# Altium PCB PCB_V2.PcbDoc (part 2 of 3)
Units mil, origin at the board's own origin, x right, y up, seen from the top; angles counter-clockwise.
Board outline 5050.36 x 2715 mil, 4 copper layers (Top Layer, GND, Power, Bottom Layer), stack 61.584 mil thick; 131 components, 101 nets, 507 pads, 705 vias.
Unrouted connection lines stored in the file: 2.
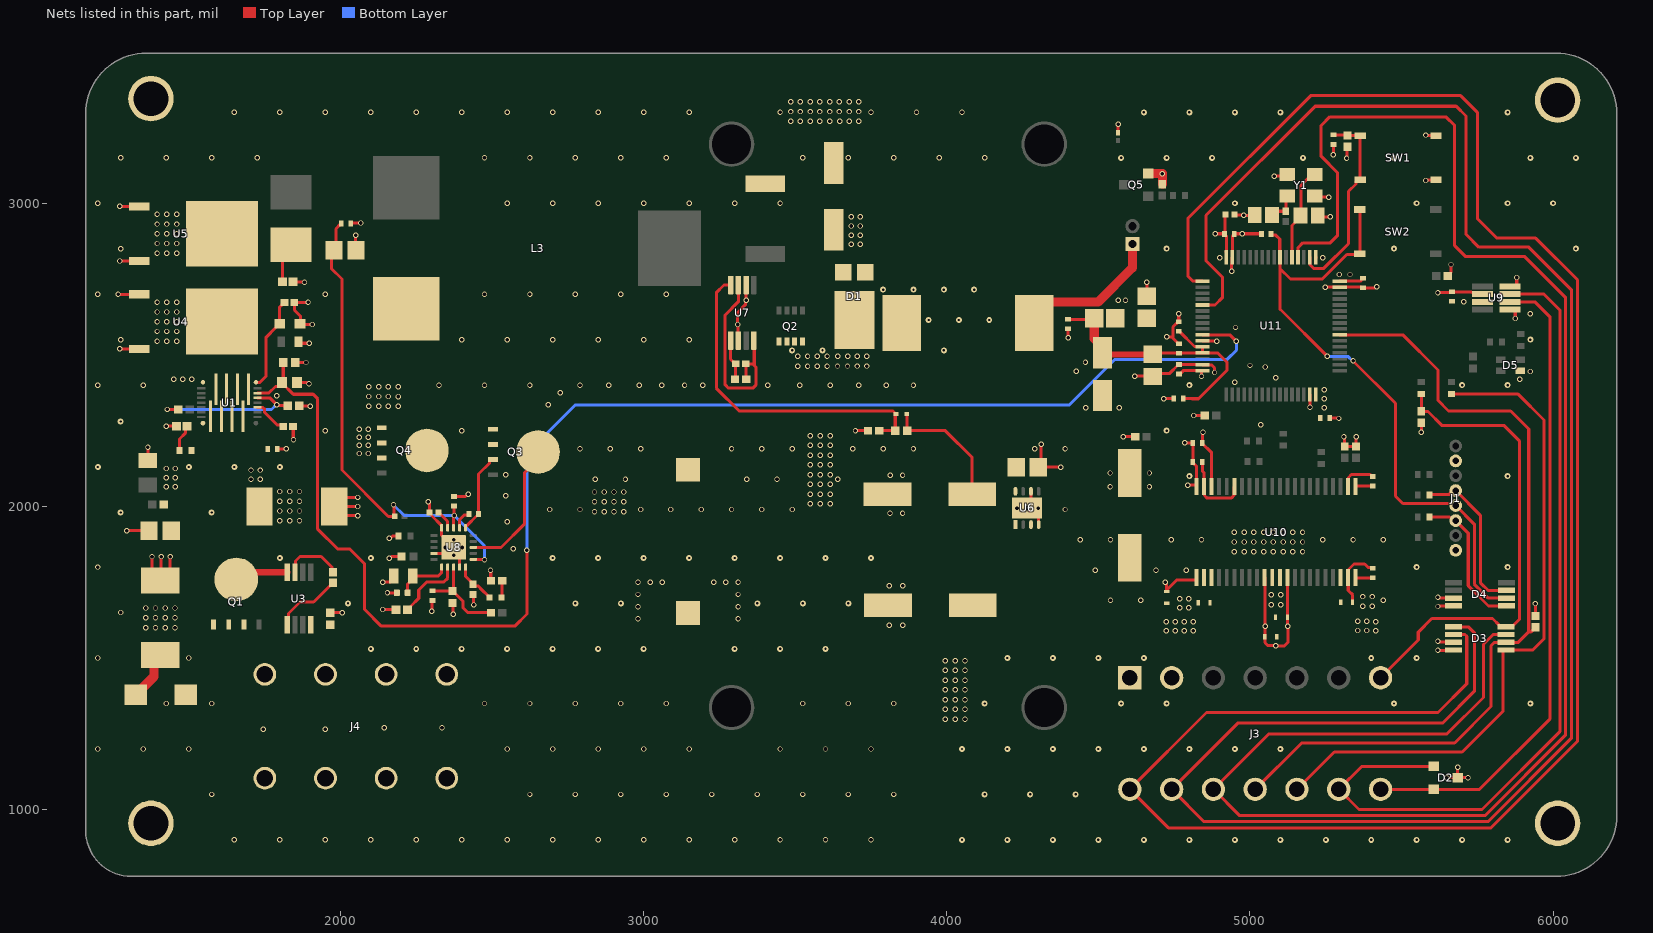
[diagram p4: the nets of this part, all layers, seen from the top]

## Part data (continued)
Q5: library part CMP-12801-000047-1, "MOSFET N-CH 60V 1.6A SOT23", Continuous Drain Current=1.6A, Drain To Source Breakdown Voltage=60V, Drain To Source Resistance=92mΩ, Gate To Source Voltage=20V, Input Capacitace At Vds="315pF @ 40V", Manufacturer="Diodes Inc.", Max Forward Diode Voltage=1V, Max Junction Temp=+150°C, Package=SOT23, Power Dissipation=0.7W, Pulse Drain Current=10A, Temperature="-55°C to +150°C", Temperature Range Low=-55°C, Typ Forward Diode Voltage=0.75V, Automotive=No, Category=Trans, ComponentLink2Description=Datasheet, ComponentLink2URL=https://www.diodes.com/assets/Datasheets/DMN6140L.pdf, Depletion Mode=False, Device Class L1="Discrete Semiconductors", Device Class L2=Transistors, Device Class L3=MOSFETs, Digikey Description="MOSFET N-CH 60V 1.6A SOT23", Drain To Source Voltage=60V, Footprint Url=https://www.diodes.com/assets/Package-Files/SOT23.pdf, Gate Charge At Vgs="8.6nC @ 10V", Height=1.1mm, Lead Free=Yes, Manufacturer Part Number=DMN6140L-13, Mouser Description="MOSFET 31V to 99V N-Ch FET 60Vds 20Vgs 2.3A", Number Of Channels=1, Number Of N Channels=1, Octopart=https://octopart.com/dmn6140l-13-diodes+inc.-38898616, Reverse Recovery Charge=9nC, Reverse Recovery Time=16.8ns, RoHS=TRUE, Rthja Max=183°C/W, Standoff Height=0.013mm, Temperature Range High=+150°C, Threshold Vgs Max=3V, Threshold Vgs Min=1V, Turn Off Delay Time=16.3ns, Turn On Delay Time=2.6ns
R1: library part CMP-03211-006729-1, "RP73P 0402 10Ω 0.1W 25ppm/°C 0.10% 50V", Manufacturer="TE Connectivity", Manufacturer Part Number=RP73PF1E10RBTD, Package=RP73P-1E, Power Rating=0.1W, Resistance=10Ω, Temperature="-55°C to +155°C", Temperature Coefficient=25ppm/°C, Temperature Range High=+155°C, Temperature Range Low=-55°C, Tolerance=0.10%, Voltage Rating=50V, Automotive=No, Category=Res, ComponentLink2Description=Datasheet, ComponentLink2URL=https://www.te.com/commerce/DocumentDelivery/DDEController?Action=srchrtrv&DocNm=1773272&DocType=DS&DocLang=English, Composition="Thin Film", Device Class L1="Passive Components", Device Class L2=Resistors, Device Class L3="Chip SMD Resistors", Height=0.35mm, Ipc Land Pattern Name=RESC10050X30, Lead Free=Yes, Octopart=https://octopart.com/rp73pf1e10rbtd-te+connectivity-89229905, RoHS=TRUE, Series=RP73P
R2: library part CMP-03412-040395-1, "RES 20kΩ ±1% 0.125W 0402"
R3: library part CMP-009-00179-2, Case/Package=None, Availability=Unavailable, Component Type=Standard, Design Item ID=ERA3AEB6040V, MF="{'manufacturer': u'Panasonic Electronic Components'}", MP=ERA3AEB6040V, Pins=2, Price=None, Source=ERA3AEB6040V.SchLib
R4: library part CMP-2002-07852-1, "Res Thick Film 0402 100K Ohm 1% 0.063W(1/16W) ±100ppm/C Pad SMD T/R", Manufacturer=Yageo, Part Number=RC0402FR-13100KL
R5: library part CMP-03412-016905-1, "RES SMD 47K OHM 0.1% 1/10W 0603", Manufacturer=Yageo, Manufacturer Part Number=RT0603BRE0747KL, Package=RT0603, Power Rating=0.1W, Resistance=47KΩ, Temperature="-55°C to +155°C", Temperature Coefficient="50 ppm/°C", Temperature Range High=+155°C, Temperature Range Low=-55°C, Tolerance=0.001, Voltage Rating=75V, Automotive=No, Category=Res, ComponentLink2Description=Datasheet, ComponentLink2URL=http://www.yageo.com/documents/recent/PYu-RT_1-to-0.01_RoHS_L_9.pdf, Composition="Thin Film", Device Class L1="Passive Components", Device Class L2=Resistors, Device Class L3="Chip SMD Resistors", Digikey Description="RES SMD 47K OHM 0.1% 1/10W 0603", Footprint Url=http://www.yageo.com/exep/pages/download/literatures/PYu-R_Mount_10.pdf, Height=0.55mm, Ipc Land Pattern Name=RESC16080X45, Lead Free=Yes, Octopart=https://octopart.com/rt0603bre0747kl-yageo-1475396, RoHS=TRUE, Series=RT
R6: library part CMP-2000-02096-2, "Automotive Metal Thin Film Chip Resistor, 0603, 2.1kΩ, 0.1%, 25ppm/°C, 0.1W, 100V", Case Code (Imperial)=0603, Case Code (Metric)=1608, Max Operating Temperature=155°C, Max Power Dissipation=100mW, Min Operating Temperature=-55°C, Resistance=2.1kR, Resistor Type="Thin Film", Temperature Coefficient=25ppm/°C, Tolerance=0.1%, Voltage Rating=100V, Voltage Rating (DC)=75V, Case/Package=0603, Features="Automotive AEC-Q200", Height=0.4mm, Lead Free="Lead Free", Length=1.6mm, Number of Terminations=2, Packaging="Tape and Reel", Power Rating=100mW, Series=RG, Termination=SMD/SMT, Weight=7.1E-05oz, Width=0.8mm
R7: library part CMP-2001-02336-1, Manufacturer="KOA Speer", Part Number=RK73H2ATTD3401F
R8: library part CMP-26527-004947-1, "Res Thick Film 2512 0.1Ω 1% 2W ±200ppm/°C Molded SMD Plastic T/R", Case Code (Imperial)=2512, Case Code (Metric)=6432, Max Operating Temperature=155°C, Max Power Dissipation=2W, Min Operating Temperature=-55°C, Resistance=100mR, Resistor Type="Thick Film", Temperature Coefficient=200ppm/°C, Tolerance=1%, Case/Package=2512, Contact Plating=Tin, Height=0.028inch, Length=0.25inch, Mount="Surface Mount", Number of Terminations=2, Packaging="Tape and Reel", Power Rating=2W, Radiation Hardening=No, RoHS Compliant=Yes, Series=CSRN, Width=0.124inch
R9: library part CMP-04015-107820-1, "30.1kΩ ±1% 0.1W Chip Resistor 0402 Thick Film AEC-Q200 Qualified", Case Code (Imperial)=0402, Case Code (Metric)=1005, Max Operating Temperature=155°C, Min Operating Temperature=-55°C, Package Quantity=10000, Power Rating=63mW, Resistance=30.1kR, Temperature Coefficient=100ppm/°C, Tolerance=1%, Voltage Rating=50V, Case/Package=0402, Height=0.35mm, Lead Free="Contains Lead", Length=1mm, Packaging="Tape and Reel", RoHS Compliant=No, Series=RK73H, Termination=SMD/SMT, Voltage Rating (DC)=50V, Width=0.5mm
R10: library part CMP-2002-07115-1, "Res Thick Film 0402 115K Ohm 1% 0.063W(1/16W) ±100ppm/C Pad SMD T/R", Manufacturer="Yageo / Phycomp", Part Number=RC0402FR-07115KL
R11 R16 R20 R22 R26 R28 R31 R32 R34 R35 R42: library part CMP-2002-03043-1, Manufacturer="Vishay Dale", Part Number=CRCW040210K0FKEDHP
R12: library part CMP-009-00178-3, "4 mOhms Â±1% 3W Chip Resistor 2512 (6432 Metric) Automotive AEC-Q200, Current Sense Metal Element", Case/Package="6331 KOA", Availability=Unavailable, Check_prices=https://www.snapeda.com/parts/TLR3APDTE4L00F75/KOA%20Speer/view-part/4194870/?ref=eda, Component Type=Standard, Design Item ID=TLR3APDTE4L00F75, MF="KOA Speer", MP=TLR3APDTE4L00F75, Pins=2, Price=None, SnapEDA_Link=https://www.snapeda.com/parts/TLR3APDTE4L00F75/KOA%20Speer/view-part/4194870/?ref=snap, Source=TLR3APDTE4L00F75.SchLib
R13: library part CMP-03412-013078-1, "RES SMD 5K OHM 1% 1/16W 0402", Manufacturer=Yageo, Manufacturer Part Number=RC0402FR-075KL, Package=RC0402, Power Rating=0.0625W, Resistance=5kΩ, Temperature="-55°C to +155°C", Temperature Coefficient=100ppm/°C, Temperature Range High=+155°C, Temperature Range Low=-55°C, Tolerance=1%, Voltage Rating=50V, Automotive=No, Category=Res, ComponentLink2Description=Datasheet, ComponentLink2URL=http://www.yageo.com/documents/recent/PYu-RC_Group_51_RoHS_L_10.pdf, Composition="Thick Film", Device Class L1="Passive Components", Device Class L2=Resistors, Device Class L3="Chip SMD Resistors", Digikey Description="RES SMD 5K OHM 1% 1/16W 0402", Footprint Url=https://pccomponents.com/datasheets/YAGEO-20RESISTORS.PDF, Height=0.4mm, Ipc Land Pattern Name=RESC10050X35, Lead Free=Yes, Octopart=https://octopart.com/rc0402fr-075kl-yageo-25450038, RoHS=TRUE, Series=RC_L
R14: library part CMP-04015-001524-1, "32kΩ ±0.1% 0.063W, 1/16W Chip Resistor 0402 (1005 Metric) Moisture Resistant Thin Film"
R15 R18: library part CMP-02407-005152-1, "RES Thick Film, 50kΩ, 1%, 0.063W, 100ppm/°C, 0402", Case Code (Imperial)=0402, Case Code (Metric)=1005, Max Operating Temperature=155°C, Min Operating Temperature=-55°C, Package Quantity=10000, Power Rating=63mW, Resistance=50kR, Tolerance=1%, Voltage Rating=50V, Case/Package=0402, Height=0.35mm, Lead Free="Lead Free", Length=1mm, Packaging="Tape and Reel", Termination=SMD/SMT, Weight=2.3E-05oz, Width=0.5mm
R17: library part CMP-2001-01369-1, Manufacturer=Yageo, Part Number=RC0805JR-0730KL
R19: library part CMP-2002-07115-1, Manufacturer="Yageo / Phycomp", Part Number=RC0402FR-07115KL
R21 R25 R27 R29 R30 R33 R36 R37 R38 R39 R40 R41 R43: library part CMP-03412-024637-1, "RES SMD 100 OHM 0.1% 1/16W 0402", Manufacturer=Yageo, Manufacturer Part Number=RT0402BRE07100RL, Package=RT0402, Power Rating=0.063W, Resistance=100Ω, Temperature="-55°C to +155°C", Temperature Coefficient="50 ppm/°C", Temperature Range High=+155°C, Temperature Range Low=-55°C, Tolerance=0.001, Voltage Rating=50V, Automotive=No, Category=Res, ComponentLink2Description=Datasheet, ComponentLink2URL=http://www.yageo.com/documents/recent/PYu-RT_1-to-0.01_RoHS_L_9.pdf, Composition="Thin Film", Device Class L1="Passive Components", Device Class L2=Resistors, Device Class L3="Chip SMD Resistors", Digikey Description="RES SMD 100 OHM 0.1% 1/16W 0402", Footprint Url=http://www.yageo.com/exep/pages/download/literatures/PYu-R_Mount_10.pdf, Height=0.35mm, Ipc Land Pattern Name=RESC10050X30, Lead Free=Yes, Mouser Description="Thin Film Resistors - SMD", Octopart=https://octopart.com/rt0402bre07100rl-yageo-1420018, RoHS=TRUE, Series=RT
R23: library part CMP-1011-00449-3, "RES SMD 300 OHM 1% 1/10W 0402", Case Code (Imperial)=0402, Case Code (Metric)=1005, Max Operating Temperature=155°C, Max Power Dissipation=100mW, Min Operating Temperature=-55°C, Package Quantity=10000, Resistance=300R, Temperature Coefficient=100ppm/°C, Tolerance=1%, Voltage Rating=50V, Case/Package=0402, Composition="Thick Film", Contact Plating=Tin, Depth=0.5mm, Height=0.35mm, Lead Free="Lead Free", Length=1mm, Military Standard=Not, Mount="Surface Mount", Number of Terminations=2, Packaging="Tape and Reel", Power Rating=100mW, REACH SVHC="No SVHC", Termination=SMD/SMT, Voltage Rating (DC)=50V, Width=0.02inch
R24: library part CMP-1011-00001-2, Manufacturer="Yageo / Phycomp", Part Number=RC0402JR-070RL
R44: library part CMP-2004-02580-1, Manufacturer=Multicomp, Part Number=MCRE000212
SW1 SW2: library part CMP-011-00013-2, "Description", Manufacturer_Name="C&K Components", Copyright="Copyright (C) 2025 Ultra Librarian. All rights reserved.", Design Item ID="PTS526 SM15 SMTR2 LFS", Manufacturer_Part_Number="PTS526 SM15 SMTR2 LFS", RefDes=RefDes, Source=PTS526SM15SMTR2LFS.SchLib, Type=Type
U1: library part CMP-013-000000-2, "4.5-V to 16-V, 0.59-mÎ©, 70-A stackable compact eFuse with accurate and fast current monitor 26-VQFN-HR -40 to 125", Manufacturer_Name="Texas Instruments", Copyright="Copyright (C) 2025 Ultra Librarian. All rights reserved.", Design Item ID=PTPS259850RQPR, Manufacturer_Part_Number=PTPS259850RQPR, RefDes=RefDes, Source=PTPS259850RQPR.SchLib, Type=TYPE
U2: library part CMP-004-00032-4, "Automotive 600 W, 28.2 V TVS in SMA", Manufacturer_Name=STMicroelectronics, Copyright="Copyright (C) 2025 Ultra Librarian. All rights reserved.", datasheet=https://www.st.com/resource/en/datasheet/sma6ty.pdf, Design Item ID=SMA6T33AY, Manufacturer_Part_Number=SMA6T33AY, RefDes=RefDes, Source=SMA6T33AY.SchLib, Type=Type
U3: library part CMP-04910-000005-1, "IC SMART DIODE CTLR 8VSSOP", Ambient Temperature Range High=+125°C, Ambient Temperature Range Low=-40°C, Manufacturer="Texas Instruments", Max Supply Voltage=42V, Min Supply Voltage=0.48V, Nominal Supply Current=0uA, Package=DGK0008A, Temperature="-40°C to +125°C", Automotive=Yes, Automotive Grade="Grade 1", Category=IC, ComponentLink2Description=Datasheet, ComponentLink2URL=http://www.ti.com/lit/ds/symlink/lm74610-q1.pdf, Device Class L1="Integrated Circuits (ICs)", Device Class L2="Power Management ICs", Device Class L3=unset, Digikey Description="IC SMART DIODE CTLR 8VSSOP", Height=1.1mm, Lead Free=Yes, Manufacturer Part Number=LM74610QDGKTQ1, Number Of Outputs=1, Octopart=https://octopart.com/lm74610qdgktq1-texas+instruments-61765970, RoHS=TRUE, Standoff Height=0.05mm, Temperature Range High=+125°C, Temperature Range Low=-40°C
U4 U5: library part CMP-028-000000-2, "Description", Manufacturer_Name="Diodes Inc", Copyright="Copyright (C) 2025 Ultra Librarian. All rights reserved.", Design Item ID=SDT30B100D1-13, Manufacturer_Part_Number=SDT30B100D1-13, RefDes=RefDes, Source=SDT30B100D1-13.SchLib, Type=Type
U6: library part CMP-00001-1, "IC REG LIN 3.3V 1A 8SON Linear Voltage Regulator IC Positive Fixed 1 Output 1A 8-SON (3x3)", Ambient Temperature Range High=125°C, Dropout Voltage=940mV, Manufacturer Lifecycle Status=ACTIVE, Max Junction Temperature (Tj)=150°C, Max Supply Voltage=16V, Min Operating Temperature=-40°C, Min Supply Voltage=4.8V, Nominal Supply Current=1.5mA, Output Current=1A, Output Voltage=3.3V, Accuracy=0.5%, Height=1mm, Length=3mm, Lifecycle Status=Production, Max Operating Temperature=150°C, Number Of Outputs=1, Pins=8, RoHS=Compliant, Thickness=880µm, Width=3mm
U7: library part CMP-0069-01741-3, "Hysteretic PFET Buck Controller with Enable Pin, 8-pin MSOP, Pb-Free", Manufacturer="Texas Instruments", PackageTopMarking=ZXTT*STEB, PowerWise=N, Code_JEDEC=MO-187-AA, ComponentLink1Description="Datasheet URL", ComponentLink1URL=http://www.ti.com/general/docs/lit/getliterature.tsp?genericPartNumber=LM3489-Q1&fileType=pdf, CompType=Switcher, PackageDescription="MINI SOIC, .118 x .118 x .034in, 8 Lead, .0256in Pitch", PackageReference=DGK0008A, PinCount=8, RoHS=Y
U8: library part CMP-031-00006-4, "2.2MHz wide VIN low IQ synchronous boost controller 20-VQFN -40 to 150", Manufacturer_Name="Texas Instruments", Copyright="Copyright (C) 2025 Ultra Librarian. All rights reserved.", datasheet=https://www.ti.com/lit/gpn/lm5123-q1, Design Item ID=LM5123QRGRRQ1, Manufacturer_Part_Number=LM5123QRGRRQ1, RefDes=RefDes, Source=LM5123QRGRRQ1.SchLib, Type=TYPE
U9: library part CMP-079-000000-2, "Automotive 3.3V CAN flexible-data-rate (FD) transceiver with shutdown and standby mode 8-SOT-23-THIN -40 to 150", Manufacturer_Name="Texas Instruments", Copyright="Copyright (C) 2025 Ultra Librarian. All rights reserved.", Design Item ID=PTCAN3404DDFRQ1, Manufacturer_Part_Number=PTCAN3404DDFRQ1, RefDes=RefDes, Source=PTCAN3404DDFRQ1.SchLib, Type=TYPE
U10: library part CMP-039-000000-3, "65V, 10A dual H-bridge stepper motor driver with smart tune, stall detect and auto torque 44-HTSSOP -40 to 125", Manufacturer_Name="Texas Instruments", Copyright="Copyright (C) 2025 Ultra Librarian. All rights reserved.", Design Item ID=DRV8462DDVR, Manufacturer_Part_Number=DRV8462DDVR, RefDes=RefDes, Source=DRV8462DDVR.SchLib, Type=Type
U11: library part CMP-031-00013-2, "Mainstream Arm Cortex-M4+ MCU 170 MHz with 512 Kbytes of Flash memory, Math Accelerator,  High Analog level integration", Manufacturer_Name=STMicroelectronics, Copyright="Copyright (C) 2025 Ultra Librarian. All rights reserved.", Design Item ID=STM32G483RET6, Manufacturer_Part_Number=STM32G483RET6, RefDes=RefDes, Source=STM32G483RET6.SchLib, Type=Type
Y1: library part CMP-003-00030-1, "25 MHz Â±20ppm Crystal 12pF 40 Ohms 4-SMD, No Lead", Case/Package="ECX-33Q-33Q-4 ECS", Check_prices=https://www.snapeda.com/parts/ECS-250-12-33Q-JES-TR/ECS/view-part/?ref=eda, Component Type=Standard, Design Item ID=ECS-250-12-33Q-JES-TR, MF="ECS Inc.", MP=ECS-250-12-33Q-JES-TR, Pins=4, SnapEDA_Link=https://www.snapeda.com/parts/ECS-250-12-33Q-JES-TR/ECS/view-part/?ref=snap, Source=ECS-250-12-33Q-JES-TR.SchLib

## Free pads (board coordinates)
  round 150 hole 114.17: 8(1375,955) 8(1375,3345) 8(6015,955) 8(6015,3340)
  round 150 hole 129.92: 11(3290,1336.73) 11(3290,3195) 11(4321.5,1336.73) 11(4321.5,3195)

## Via types
v1: diameter 17.72/17.72 (per signal layer), hole 11.81, Top Layer to Bottom Layer, 598 vias
v2: diameter 19.68/19.68 (per signal layer), hole 7.87, Top Layer to Bottom Layer, 106 vias
v3: diameter 18/18 (per signal layer), hole 11.81, Top Layer to Bottom Layer, 1 vias

## Nets (pads, with @x,y where several pads share a name; then routed paths per layer and width w, separated by ;. In a path a pad name is that pad's centre, name@x,y a point inside that pad or via, vN(x,y) a via of type N, cw(c..) or ccw(c..) an arc to the next point about the centre after c; other vN are vias at no path point)
GND: C1.2 C2.2 C3.2 C4.2 C5.2 C6.2 C7.2 C9.2 C10.2 C11.1 C12.2 C13.2 C14.2 C15.2 C16.1 C19.1 C21.2 C22.2 C23.2 C24.2 C25.2 C27.2 C28.2 C29.2 C30.2 C31.2 C32.1 C33.1 C34.1 C35.2 C36.1 C37.1 C38.1 C39.1 C42.2 C43.2 C44.2 C45.2 C46.2 C47.2 C48.2 C49.2 C50.2 C51.2 C52.2 C53.2 C54.2 CR1.2 CR2.1 D1.1 D1.3 D2.3 D3.7 D4.7 J1.7 J3.3 J4.5 J4.6 J4.7 J4.8 pad.8 Q4.1 Q4.2 Q4.3 Q5.2 R3.2 R5.2 R6.2 R7.2 R11.2 R13.1 R15.2 R17.2 R18.2 R19.2 R22.2 R26.2 R28.2 R31.2 R32.2 R44.2 U1.14 U4.1 U4.2 U5.1 U5.2 U6.4 U6.6 U6.9 U7.2 U7.6 U8.10 U8.14 U8.19 U8.21 U9.2 U9.5 U9.8 U10.1 U10.3 U10.10 U10.13 U10.20 U10.44 U11.15 U11.27 U11.31 U11.47 U11.63 Y1.2 Y1.4 | length 5488.3
  Top Layer w10: v1(1266.42,2699.65) U4.1@1336.42,2699.65 ; v1(1271.42,2519.65) U4.2@1336.42,2519.65 ; v1(1271.42,2809.65) U5.2@1336.42,2809.65 ; v1(1271.42,2989.65) U5.1@1336.42,2989.65 ; v1(1295,1920) 1368.18,1920 C7.2@1368.54,1919.65 ; R7.2@1364.14,2152.08 1365,2152.94 v1(1365,2195) ; CR2.1@1378.4,1782.27 v1(1378.4,1834.65) ; CR2.1@1408.4,1758.38 v1(1408.4,1834.65) ; v1(1425,2265) 1425.18,2264.82 1458.96,2264.82 C2.2@1459.13,2264.65 ; CR2.1@1438.4,1788.38 v1(1438.4,1834.65) ; v1(1510,2420) v1@1512.09,2420 ; C1.2@1792.34,2189.43 v1@1820.93,2189.43 ; C4.2@1843.56,2741.71 1844.53,2740.73 1880.37,2740.73 v1(1881.34,2739.76) ; C9.2@1843.6,2264.18 1844.3,2263.48 1844.3,2220.7 v1(1845,2220) ; C5.2@1851.5,2474.65 1851.55,2474.7 1886.29,2474.7 v1(1886.34,2474.76) ; R6.2@1856.6,2408.35 1890.13,2408.35 1893.72,2404.76 v1(1896.34,2404.76) ; C10.2@1864.39,2332.05 1865.42,2331.03 1899.2,2331.03 v1(1900.22,2330) ; R3.2@1866.55,2538.28 v1(1896.59,2538.28) ; v1(1893.12,2673.16) C6.2@1848.12,2673.16 1848.12,2647.47 1867.54,2628.05 1867.54,2600.24 1867.64,2600.15 v1(1906.49,2600.15) ; C3.2@1966.46,1649.76 v1(2006.38,1649.76) ; C23.2@2034.14,2933.49 2034.78,2934.13 2065.71,2934.13 v1(2066.34,2934.76) ; v1(2050,2895) 2050,2846.06 C22.2@2051.42,2844.65 ; v1(2056.42,1969.65) 2009.42,1969.65 CR1.2@1979.42,1999.65 ; v1(2056.42,1999.65) CR1.2@1979.42,1999.65 ; v1(2056.42,2029.65) 2009.42,2029.65 CR1.2@1979.42,1999.65 ; v1(2140,1660) 2140.13,1659.87 2183.53,1659.87 C25.2@2183.66,1659.74 ; v1(2140,1750) 2140.56,1750.56 2165.23,1750.56 2175.97,1761.31 R17.2@2175.97,1770.16 ; v1(2155,1715) 2155.08,1715.08 2186.05,1715.08 C28.2@2186.13,1715.16 ; v1(2161.42,1829.65) 2164.04,1829.65 2169.04,1834.65 R15.2@2201.88,1834.65 ; v1(2161.42,1894.65) 2164.04,1894.65 2171.47,1902.08 R13.1@2191.33,1902.08 ; v1(2290,2015) 2290,2012.38 2293.3,2009.07 C27.2@2293.3,1980.05 ; C27.2@2294.15,1980.05 2298.45,1975.75 2298.45,1971.55 2333.86,1936.14 U8.10@2333.86,1929.61 2333.86,1904.02 2348.23,1889.65 U8.21@2373.65,1889.65 ; v1(2301.42,1654.65) 2302.33,1655.56 2302.33,1689.24 C30.2@2303.25,1690.15 ; U8.14@2308.27,1844.96 2337.87,1844.96 2349.49,1856.58 U8.21@2349.49,1861.58 ; R18.2@2369.7,1681.99 2370.56,1681.13 2370.56,1645.51 v1(2371.42,1644.65) ; v1(2373.92,1839.4) 2382.81,1839.4 2392.91,1829.29 U8.19@2392.91,1799.69 ; C24.2@2374.66,2032.63 2411.78,2032.63 2418.8,2039.65 v1(2421.42,2039.65) ; C29.2@2437.58,1709.72 2438.79,1708.51 2438.79,1676.21 v1(2440,1675) ; v1(2495,1790) 2495.71,1789.29 2495.71,1755.35 R19.2@2496.42,1754.65 ; U7.6@3312.4,2547.28 3311.2,2548.48 3311.2,2598.8 v1(3310,2600) 3310,2640 3336.74,2666.74 3336.74,2679.36 v1(3337.99,2680.61) U7.2@3337.99,2730.35 ; v1(3698.7,2250) R11.2@3740,2250 ; v1(4264.8,1994.9) 4277.6,2007.7 U6.6@4277.6,2049.65 ; v1(4301.42,1994.65) 4303.19,1992.87 U6.4@4303.19,1940.15 ; C15.2@4301.6,2128.72 C15.2@4302.53,2129.65 ; v1(4311.42,2204.65) 4311.42,2138.54 C15.2@4302.53,2129.65 ; v1(4376.42,2129.65) C15.2@4302.53,2129.65 ; v1(4400.52,2556.49) C14.2@4400.52,2585.75 ; R44.2@4565,3232.8 v1(4565,3260) ; v1(4620,2430) 4678.55,2430 C50.2@4680,2428.55 ; C12.2@4659.78,2693.64 4660,2693.86 v1(4660,2740) ; C50.2@4682.45,2437.76 4734.19,2437.76 4764.32,2467.89 U11.31@4842.9,2467.89 ; v1(4715,2355) 4715.32,2355.32 4748.25,2355.32 C52.2@4748.58,2355.65 ; v1(4720,1750) 4720,1747.91 4725,1742.91 4725,1727.96 ; C33.1@4725,1719.68 4725,1727.91 ; v1(4725,2560) 4726.85,2558.15 4743.05,2558.15 4746.2,2555 ; 4729.3,1728.24 4758.28,1757.21 4821.95,1757.21 4823.45,1758.71 U10.1@4823.45,1765.71 ; v1(4765,2635) 4765.02,2611.07 4746.2,2592.25 4746.2,2555 ; C53.2@4766.29,2536.88 4764.32,2536.88 4746.2,2555 ; v1(4785,2210) 4785.23,2209.77 4811.22,2209.77 C36.1@4811.45,2209.54 ; v1(4795,2070) 4821.95,2070 4823.45,2068.5 U10.44@4823.45,2065.21 4823.45,2132.51 4811.45,2144.52 C32.1@4811.45,2146.49 C36.1@4811.45,2211.51 ; U11.31@4843.32,2467.47 4843.93,2466.86 4873.42,2466.86 4883.15,2457.13 v1(4883.15,2441.85) ; U11.27@4843.32,2546.21 4843.92,2545.6 4889.4,2545.6 v1(4890,2545) ; v1(4939.63,2775.28) 4939.63,2800.12 4940.75,2801.24 4940.75,2820.8 U11.15@4941.75,2821.8 4941.75,2890.77 4950.39,2899.41 4974.41,2899.41 v1(4975,2900) 4975.59,2899.41 C54.2@5038.22,2899.41 ; C45.2@4948.69,2962.86 4949.98,2961.57 v1@4978.34,2961.57 ; v1(4979.63,2960.28) 5006.74,2960.28 C43.2@5016.46,2970 ; U10.10@5048.45,1765.71 5049.23,1764.94 5049.23,1605.77 v1(5050,1605) 5049.43,1604.43 C38.1@5049.43,1570.34 ; C38.1@5049.06,1569.98 5049.43,1569.61 5049.43,1550.57 5058.52,1541.48 5083.52,1541.48 v1(5085,1540) 5114.14,1540 5125,1550.86 v1(5125,1605) 5123.81,1606.19 5123.81,1634.64 C37.1@5123.45,1635 U10.13@5123.45,1765.71 ; v1(5079.97,3089.46) 5102.86,3089.46 5108.14,3094.74 Y1.4@5123.18,3094.74 ; U11.47@5197.65,2369.04 5197.78,2368.91 5197.78,2327.71 v1(5197.91,2327.58) ; Y1.2@5213.95,3030 5223.95,3020 v1(5260,3020) ; C44.2@5225.75,2955 v1(5265,2955) ; v1(5248.09,2722.9) 5248.32,2723.14 5295.84,2723.14 U11.63@5296.08,2723.37 5366.75,2723.37 5371.14,2718.98 C46.2@5373.1,2718.98 ; C47.2@5263.14,2290.04 5264.2,2291.11 5292.55,2291.11 v1(5293.45,2290.21) ; v1(5275,3160) C42.2@5275,3194.25 ; U10.20@5298.45,1765.71 U10.20@5298.84,1765.32 ; C39.1@5298.84,1683.81 C39.1@5299.2,1683.45 ; v1(5310,2230) 5311.39,2228.61 5311.39,2205.55 5310,2204.16 5316.55,2197.61 R32.2@5349.95,2197.61 ; v1(5318.59,3148.62) 5319.96,3149.98 5319.96,3191.78 R26.2@5318.59,3193.14 ; R32.2@5349.97,2197.64 v1(5350,2230) ; C46.2@5373.1,2720.96 5412.11,2720.96 5416.36,2725.21 v1(5418.45,2725.21) ; v1(5620,1555) 5621.56,1553.44 5669.57,1553.44 D3.7@5671.12,1551.89 ; v1(5620,1700) 5621.29,1698.71 5670.07,1698.71 D4.7@5671.36,1697.41 ; v1(5620,2705) 5643.86,2705 5643.96,2705.1 5662.96,2705.1 C31.2@5665.84,2707.98 5727.45,2707.98 5728.12,2707.32 5730.99,2707.32 5732.89,2705.41 5761.58,2705.41 U9.2@5766.42,2700.57 ; v1(5649.12,1105.24) 5684.76,1105.24 D2.3@5685,1105 ; R28.2@5652.15,2760.21 5653.14,2760.21 5660.93,2768.01 5660.93,2768.99 5663.09,2771.15 v1(5663.09,2797.9) ; v1(5685,1140) D2.3@5685,1105 ; v1(5719.12,1105.24) 5685.24,1105.24 D2.3@5685,1105 ; U9.5@5857.04,2649.39 5870.16,2649.39 5875,2644.54 v1(5875,2620) ; U9.8@5857.04,2726.16 5875.16,2726.16 5880,2731 v1(5880,2755)
  Top Layer w30: Q5.2@4666.61,3097.72 v1(4711.13,3097.72) R22.2@4711.13,3063.82
  other v1: 4723.81,1589.42 4753.81,1589.42 4783.45,1590.21 4813.45,1590.21 5415,1590 5355.36,1590.79 5385.36,1590.79 3809.79,1608.41 3854.79,1608.41 4723.81,1619.42 4753.81,1619.42 4783.45,1620.21 4813.45,1620.21 5415,1620 5355.36,1620.79 5385.36,1620.79 2981.42,1629.65 3311.42,1629.65 2981.42,1669.65 3311.42,1669.65 2981.42,1709.65 3311.42,1709.65 3809.79,1738.41 3854.79,1738.41 2981.42,1749.65 3021.42,1749.65 3061.42,1749.65 3231.42,1749.65 3271.42,1749.65 3311.42,1749.65 2570,1860 2346.42,1864.65 2401.42,1864.65 2373.81,1889.81 2550,1950 3812.62,1978.03 3854.04,1977.67 4231.42,1994.65 2545,2035 4538.45,2065.21 4668.45,2065.21 3814.04,2102.67 3854.04,2102.67 2545,2105 4538.45,2110.21 4668.45,2110.21 2061.42,2174.65 2091.42,2174.65 1821.66,2190.16 2061.42,2201.31 2091.42,2201.31 2061.42,2227.98 2091.42,2227.98 2061.42,2254.65 2091.42,2254.65 5035,2270 4458.45,2325.21 4568.45,2325.21 2685,2335 1790,2365 2725,2375 2790,2400 2885,2400 2985,2400 3060,2400 3135,2400 3195,2400 3410,2400 3515,2400 3615,2400 3710,2400 3800,2400 3890,2400 4950,2410 1450,2420 1480,2420 5085,2425 4427.27,2445.34 5050,2460 5000,2465 4457.27,2475.34 4952.27,2590.34 3685,2865 3715,2865 3685,2895 3715,2895 3685,2925 3715,2925 3685,2955 3715,2955
NetC1_1: C1.1 C7.1 CR1.1 Q1.5 R1.2 R2.1 U1.23 U1.24 U1.25 U1.26 U3.8 | length 178
  Top Layer w10: Q1.5@1656.42,1759.32 Q1.5@1679.97,1782.87
  Top Layer w20: Q1.5@1679.97,1782.87 U3.8@1824.65,1782.87
  other v1: 1800,1952.86 1832.5,1952.86 1865,1952.86 1800,1985 1832.5,1985 1865,1985 1800,2017.14 1832.5,2017.14 1865,2017.14 1800,2049.29 1832.5,2049.29 1865,2049.29 1425,2065 1455,2065 1705,2090 1735,2090 1425,2095 1455,2095 1705,2120 1735,2120 1425,2125 1455,2125
  other v2: 2100,1530 2250,1530 2400,1530 2550,1530 2700,1530 2850,1530 3000,1530 3300,1530 3450,1530 3600,1530 2025,1680 2775,1680 2925,1680 3375,1680 3525,1680 3675,1680 1800,1830 2100,1830 2700,1830 2850,1830 3000,1830 3150,1830 3300,1830 3450,1830 3600,1830 3750,1830 1275,1980 1575,1980 1200,2130 1500,2130 1650,2130 1800,2130 1275,2280
NetC2_1: C2.1 R1.1 U1.22 | length 89.8
  Top Layer w10: R1.1@1469.17,2184.96 1469.17,2222.4 1488.37,2241.6 1488.37,2259.32 C2.1@1493.7,2264.65
NetC3_1: C3.1 J4.1 J4.2 J4.3 J4.4 Q1.1 Q1.2 Q1.3 U2.1 U3.4
  other v1: 1650,900 1800,900 1950,900 2100,900 2250,900 2400,900 2550,900 2700,900 2850,900 3000,900 3150,900 3300,900 3450,900 3600,900 3750,900 1575,1050 2625,1050 2775,1050 2925,1050 3075,1050 3225,1050 3375,1050 3525,1050 3675,1050 3825,1050 1200,1200 1350,1200 1500,1200 2550,1200 2700,1200 2850,1200 3000,1200 3150,1200 3450,1200 3600,1200 3750,1200 1745,1265 1950,1265 2145,1270 2335,1270 1425,1350 1575,1350 2475,1350 2625,1350 2775,1350 2925,1350 3075,1350 3525,1350 3675,1350 3825,1350 1200,1500 1500,1500 1357.86,1600 1390,1600 1422.14,1600 1454.29,1600 1357.86,1632.5 1390,1632.5 1422.14,1632.5 1454.29,1632.5 1275,1650 1357.86,1665 1390,1665 1422.14,1665 1454.29,1665 1200,1800
NetC4_1: C4.1 C16.2 C17.1 C22.1 C23.1 C24.1 R8.1 R10.1 R12.1 R14.2 U1.10 U1.11 U1.12 U1.13 U4.3 U5.3 U7.3 U7.8 U8.1 U8.8 | length 2459.3
  Top Layer w10: U5.3@1608.84,2899.65 U5.3@1618.84,2899.65 ; C4.1@1809,2741.71 1809,2835.37 R12.1@1836.42,2862.8 ; C22.1@1969.97,2849.65 1969.97,2785.03 2005,2750 2005,2120 2157.9,1967.1 R14.2@2178.86,1967.1 2176.85,1969.11 2176.85,2003.15 v1(2175,2005) ; C22.1@1978.52,2844.65 1985,2851.12 1985,2915.84 1997.81,2928.65 1999.77,2928.65 2002.65,2931.52 C23.1@2002.65,2933.49 ; U8.8@2373.23,1929.61 2373.23,1966.14 2375,1967.91 v1(2375,1970) 2374.83,1970.17 2374.83,2000.96 C24.1@2374.66,2001.13 ; U8.1@2438.19,1825.28 2438.46,1825 2474.13,1825 v1(2475,1824.13) ; U7.3@3312.4,2730.35 3312.4,2674.82 3268.95,2631.37 3268.95,2401.05 3280,2390 3360,2390 3370,2400 3370,2460 3364.82,2465.18 3364.82,2546.04 U7.8@3363.58,2547.28 ; C17.1@3336.38,2470.35 3337.54,2469.2 3337.54,2420.81 R10.1@3338.7,2419.65 ; C17.1@3337.7,2470.35 3359.65,2470.35 ; 3363.58,2466.42 3363.58,2470.35
  Bottom Layer w10: v1(2175,2005) 2210,1970 v1(2375,1970) 2475,1870 v1(2475,1824.13)
  other v1: 1200,2400 1350,2400 1395,2545 1427.5,2545 1460,2545 1275,2550 1395,2577.14 1427.5,2577.14 1460,2577.14 1395,2609.29 1427.5,2609.29 1460,2609.29 1395,2641.43 1427.5,2641.43 1460,2641.43 1395,2673.57 1427.5,2673.57 1460,2673.57 1200,2700 1950,2700 1395,2835 1427.5,2835 1460,2835 1275,2850 1395,2867.14 1427.5,2867.14 1460,2867.14 1395,2899.29 1427.5,2899.29 1460,2899.29 1395,2931.43 1427.5,2931.43 1460,2931.43 1395,2963.57 1427.5,2963.57 1460,2963.57 1200,3000 2550,3000 2700,3000 2850,3000 3000,3000 3150,3000 3300,3000 3450,3000 1275,3150 1425,3150 1575,3150 1725,3150 2475,3150 2625,3150 2775,3150 2925,3150 3075,3150 3525,3150 3675,3150 3825,3150 3975,3150 4125,3150 3485,3270 3517.14,3270 3549.29,3270 3581.43,3270 3613.57,3270 3646.43,3270 3678.57,3270 3710,3270 1650,3300 1800,3300 1950,3300 2100,3300 2250,3300 2400,3300 2550,3300 2700,3300 2850,3300 3000,3300 3150,3300 3450,3300 3750,3300 3900,3300 4050,3300 3485,3302.5 3517.14,3302.5 3549.29,3302.5 3581.43,3302.5 3613.57,3302.5 3645.71,3302.5 3677.86,3302.5 3710,3302.5 3485,3335 3517.14,3335 3549.29,3335 3581.43,3335 3613.57,3335 3645.71,3335 3677.86,3335 3710,3335
NetC5_1: C5.1 R6.1 U1.7 U11.26 | length 4822.7
  Top Layer w10: U1.7@1726.29,2373.81 1763.81,2373.81 1785.51,2395.51 1795.51,2395.51 R6.1@1807.33,2407.34 ; C5.1@1811.34,2474.65 1811.34,2412.35 R6.1@1807.33,2408.35 ; v1(2615,1855) 2615,1645 2575,1605 2135,1605 2080,1660 2080,1810 2030,1860 1990,1860 1925,1925 1925,2355 1910,2370 1844.67,2370 R6.1@1807.33,2407.34 ; U11.26@4843.32,2565.89 4933.69,2565.89 4954.58,2545 v1(4955,2545) ; R6.1@1807.33,2407.34 R6.1@1807.33,2408.35 ; R6.1@1807.33,2407.34 R6.1@1807.33,2408.35
  Bottom Layer w10: v1(2615,1855) 2615.91,1855.91 2615.91,2175.91 2775,2335 4404.8,2335 4554.8,2485 4925,2485 4955.31,2515.32 4955.31,2544.68 v1(4955,2545)
NetC6_1: C6.1 R5.1 U1.9 | length 302.2
  Top Layer w10: U1.9@1721.12,2409.49 1734.41,2409.49 1755,2430.08 1755,2558.51 1786.94,2590.45 1786.94,2592.42 1797.69,2603.16 R5.1@1799.66,2603.16 1799.66,2657.5 1807.74,2665.58 C6.1@1807.74,2666.9
NetC8_1: C8.1 U3.1 | length 227.7
  Top Layer w10: U3.1@1824.65,1609.65 1828.5,1613.5 1828.5,1646.73 1866.42,1684.65 1911.79,1684.65 C8.1@1975.42,1748.28
NetC8_2: C8.2 U3.7 | length 202.5
  Top Layer w10: U3.7@1850.24,1782.87 1851.82,1784.46 1851.82,1819.9 1866.56,1834.65 1936.42,1834.65 1972.52,1798.55 1972.52,1788.11 C8.2@1981.42,1779.21
NetC9_1: C9.1 U1.4 | length 116.6
  Top Layer w10: U1.4@1726.29,2326.57 1744.14,2326.57 1750,2320.71 1750,2310 1790.78,2269.22 1805.76,2269.22 C9.1@1810.8,2264.18
NetC10_1: C10.1 R4.2 U1.6 | length 499.4
  Top Layer w10: v1@1430,2320 R4.2@1465,2320 ; U1.6@1726.29,2358.06 1766.94,2358.06 1791.48,2333.52 1810.88,2333.52 1812.35,2332.05
  Bottom Layer w10: v1(1428.68,2319.88) 1772.79,2319.88 1787.91,2335 v1(1790,2335)
NetC11_2: C11.2 C12.1 C31.1 C36.2 C45.1 C46.1 C47.1 C48.1 C49.1 D3.8 D4.8 D5.4 J1.1 J3.1 L2.1 R20.1 R34.1 R35.1 R42.1 SW1.1 SW1.2 U6.1 U6.3 U9.3 U10.42 U11.1 U11.16 U11.32 U11.48 U11.64 | length 907.4
  Top Layer w10: v1(4581.55,2229.79) 4581.65,2229.89 4621.19,2229.89 R35.1@4621.3,2230 R35.1@4620.65,2230.65 ; C12.1@4644.12,2605.09 C12.1@4659.78,2620.75 ; C48.1@4766.29,2436.39 4768.26,2436.39 4779.65,2447.78 U11.32@4834,2447.78 ; v1(4815,2300) R34.1@4851.3,2300 ; v1(4840,2430) 4840,2446.78 4839,2447.78 U11.32@4834,2447.78 ; U11.32@4843.32,2447.78 U11.32@4834,2447.78 ; v1(4845,2245) 4843.97,2243.97 4843.97,2214.35 4840.07,2210.45 4873.45,2177.06 U10.42@4873.45,2065.21 ; v1(4885,2900) 4885.59,2899.41 4915.75,2899.41 C49.1@4916.33,2898.82 ; C45.1@4918.88,2962.86 4917.61,2961.59 4917.61,2900.1 C49.1@4916.33,2898.82 ; U11.16@4921.06,2840 U11.16@4922.06,2839 ; U11.16@4922.06,2821.8 4922.06,2891.13 4916.33,2896.86 C49.1@4916.33,2898.82 ; U11.1@5217.34,2821.8 5217.34,2821 U11.1@5218.34,2820 ; U11.64@5296.08,2743.06 5363.71,2743.06 C46.1@5371.14,2750.48 ; C46.1@5370.23,2753.35 C46.1@5373.1,2750.48 ; R20.1@5561.73,2274.78 5565,2271.51 v1(5565,2245) ; v1(5580,3075) 5581.19,3076.19 5612.47,3076.19 SW1.1@5613.66,3077.38 ; v1(5580,3225) 5580.98,3224.02 5612.68,3224.02 SW1.2@5613.66,3223.04 ; v1(5620,1525) 5669.83,1525 D3.8@5671.12,1526.3 ; v1(5620,1670) 5620.91,1670.91 5670.45,1670.91 D4.8@5671.36,1671.82 ; v1(5941.16,1679.65) 5941.29,1679.52 5941.29,1638.48 R42.1@5941.42,1638.35
  other v1: 3995.07,1298.32 4027.57,1298.32 4060.07,1298.32 3995,1330.71 4027.5,1330.71 4060,1330.71 3995,1362.86 4027.5,1362.86 4060,1362.86 3995,1395 4027.5,1395 4060,1395 3995,1427.14 4027.5,1427.14 4060,1427.14 3995,1459.29 4027.5,1459.29 4060,1459.29 3995,1491.43 4027.5,1491.43 4060,1491.43 5245,2325 5245,2355 5245,2385 5890,2420 5925,2445 5925,2635 5705,2675 4565,2680 4589.44,2680.25 5295,2765 5330,2765 4900,2820 5240,2820
  other v2: 4050,900 4200,900 4350,900 4500,900 4650,900 4800,900 4950,900 5100,900 5250,900 5400,900 5550,900 5700,900 5850,900 4125,1050 4275,1050 4425,1050 4050,1200 4200,1200 4350,1200 4500,1200 4650,1200 4800,1200 4950,1200 5100,1200 4125,1350 4575,1350 4725,1350 5475,1350 5925,1350 4200,1500 4350,1500 4500,1500 4650,1500 5400,1500 5550,1500 5550,1800 5850,1800 4800,2100 5850,2100 4725,2250 4800,2400 5700,2400 5850,2400 5925,2550 4725,2850 5475,2850 6075,2850 4950,3000 5550,3000 5850,3000 6000,3000 4575,3150 4725,3150 4875,3150 5175,3150 5475,3150 5925,3150 6075,3150 4650,3300 4800,3300 4950,3300 5100,3300 5850,3300
NetC13_1: C13.1 C14.1 C50.1 C51.1 C52.1 C53.1 L2.2 U11.28 U11.29 | length 960.3
  Top Layer w10: C14.1@4400.52,2617.24 L2.2@4482.07,2617.24 ; C50.1@4687.72,2505.38 C53.1@4766.29,2505.38 4824.37,2505.38 4825.82,2506.84 U11.29@4843.32,2506.84 ; C51.1@4765.04,2577.63 4767.01,2577.63 4817.12,2527.52 4842.32,2527.52 U11.28@4843.32,2526.52 U11.29@4843.32,2506.84 ; C52.1@4780.07,2355.65 4807.84,2355.65 4808.33,2355.16 4830.16,2355.16 4923.45,2448.45 4923.45,2476.55 4894.16,2505.84 4844.32,2505.84 U11.29@4843.32,2506.84
  Top Layer w20: L2.2@4482.07,2617.24 L2.2@4486.21,2621.38 ; C13.1@4513.45,2526.63 C13.1@4513.45,2506.94 4518.95,2501.45 C50.1@4680,2501.45
  Top Layer w30: L2.2@4486.21,2621.38 4486.21,2553.87 C13.1@4513.45,2526.63
NetC15_1: C15.1 C18.1 C19.2 J2.1 L1.1 R9.1 U6.8 | length 955
  Top Layer w10: R9.1@3867.99,2305 3868.9,2304.09 3868.9,2251.18 C18.1@3870.08,2250 3995,2250 4083.86,2161.14 C19.2@4083.86,2031.8 ; L1.1@4288.5,2605 L1.1@4288.5,2634.5
  Top Layer w30: L1.1@4288.5,2605 4288.5,2625.82 4336.5,2673.82 4498.82,2673.82 4612.28,2787.28 J2.1@4612.28,2865.47
NetC17_2: C17.2 R10.2 U7.5 | length 135
  Top Layer w10: U7.5@3286.81,2547.28 3286.81,2485.81 C17.2@3302.27,2470.35 ; R10.2@3301.3,2419.65 3302.44,2420.79 3302.44,2469.21 C17.2@3303.58,2470.35
NetC18_2: C18.2 R9.2 R11.1 U7.4 | length 1110.3
  Top Layer w10: U7.4@3286.81,2730.35 3265.35,2730.35 3240,2705 3240,2390 3315,2315 3822.28,2315 3829.41,2307.87 3829.41,2305.91 3830.32,2305 R9.2@3832.28,2305 3830.83,2305 3829.92,2304.09 C18.2@3829.92,2250 R11.1@3777.4,2250
NetC20_1: C20.1 L3.2 Q3.1 Q3.2 Q3.3 Q4.5 U8.6 | length 263.9
  Top Layer w10: U8.6@2412.87,1936.42 2416.9,1936.42 2450.59,1970.1 2452.56,1970.1 2455.43,1972.98 2455.43,2106.85 2492.09,2143.5 2492.09,2151.57 2495.16,2154.65 Q3.3@2503.23,2154.65
  other v1: 1950,2250 2400,2250 2093.57,2330 2125.71,2330 2157.86,2330 2190,2330 2093.57,2362.5 2125.71,2362.5 2157.86,2362.5 2093.57,2395 2125.71,2395 2157.86,2395 2190,2395 2325,2400 2475,2400 2625,2400 2400,2550 2550,2550 2700,2550 2850,2550 3000,2550 3150,2550 2475,2700 2625,2700 2775,2700 2925,2700 3075,2700
  other v3: 2190,2362.5
NetC20_2: C20.2 U8.7 | length 65.6
  Top Layer w10: U8.7@2392.91,1929.61 2392.91,1956.14 2408.36,1971.59 2421.06,1971.59 2423.93,1974.46 C20.2@2423.93,1974.94
NetC21_1: C21.1 C33.2 C34.2 C35.1 C37.2 C38.2 C39.2 C41.2 Q3.5 U8.3 U10.2 U10.11 U10.12 U10.21 | length 665.9
  Top Layer w10: U8.3@2438.19,1864.65 2529.65,1864.65 2606.42,1941.42 2606.42,2110.43 2651.88,2155.89 Q3.5@2651.88,2179.65 ; C39.2@5338.57,1683.45 5338.57,1708.54 5324.16,1722.96 5324.16,1765 U10.21@5323.45,1765.71 5324.95,1767.21 5324.95,1791.71 5343.45,1810.21 5378.45,1810.21 5389.89,1798.77 5402.1,1798.77 C41.2@5404.98,1795.9
  other v1: 4768.45,1665.21 4798.45,1665.21 5371.88,1670.21 5403.45,1670.21 5070.19,1676.27 5101.77,1676.27 4540,1690 4640,1690 5440,1690 4768.45,1695.21 4798.45,1695.21 5371.88,1702.71 5403.45,1702.71 5070.19,1708.77 5101.77,1708.77 4490,1790 4690,1790 4790,1790 4948.45,1850.21 4980.59,1850.21 5012.74,1850.21 5044.88,1850.21 5077.02,1850.21 5109.17,1850.21 5141.31,1850.21 5173.45,1850.21 4948.45,1882.71 4980.59,1882.71 5012.74,1882.71 5044.88,1882.71 5077.02,1882.71 5109.17,1882.71 5141.31,1882.71 5173.45,1882.71 4440,1890 4540,1890 4740,1890 4840,1890 5240,1890 5340,1890 5440,1890 4948.45,1915.21 4980.59,1915.21 5012.74,1915.21 5044.88,1915.21 5077.02,1915.21 5109.17,1915.21 5141.31,1915.21 5173.45,1915.21 2837.86,1982.5 2870,1982.5 2902.14,1982.5 2934.29,1982.5 2690,1990 2790,1990 2990,1990 3090,1990 3190,1990 3290,1990 3390,1990 3490,1990 4390,1990 3550,2008.57 3582.5,2008.57 3615,2008.57 2837.86,2015 2870,2015 2902.14,2015 2934.29,2015 3550,2040.71 3582.5,2040.71 3615,2040.71 2837.86,2047.5 2870,2047.5 2902.14,2047.5 2934.29,2047.5 3550,2072.86 3582.5,2072.86 3615,2072.86 2840,2090 2940,2090 3340,2090 3440,2090 3640,2090 3550,2105 3582.5,2105 3615,2105 3550,2137.14 3582.5,2137.14 3615,2137.14 3550,2169.29 3582.5,2169.29 3615,2169.29 2790,2190 2890,2190 2990,2190 3290,2190 3390,2190 3490,2190 3690,2190 3790,2190 3890,2190 4290,2190 4390,2190 3550,2201.43 3582.5,2201.43 3615,2201.43 3550,2233.57 3582.5,2233.57 3615,2233.57
NetC25_1: C25.1 U8.17 | length 228.4
  Top Layer w10: C25.1@2221.16,1659.74 2222.09,1659.74 2231.11,1668.76 2231.11,1669.7 2258.23,1696.82 2258.23,1724.65 2283.58,1750 2340,1750 2353.54,1763.54 U8.17@2353.54,1799.69
NetC26_1: C26.1 C29.1 U8.20 | length 139.7
  Top Layer w10: U8.20@2412.6,1799.69 2412.6,1769.29 2437.58,1744.31 C29.1@2437.58,1743.47 C29.1@2437.58,1743.12 ; C29.1@2437.58,1742.62 C29.1@2437.58,1743.12 ; C26.1@2491.69,1700.13 2461.42,1730.4 2461.42,1731 2455.56,1736.85 2443.84,1736.85 C29.1@2437.58,1743.12
NetC26_2: C26.2 R19.1 | length 55.7
  Top Layer w10: C26.2@2531.06,1700.13 2532.44,1701.51 2532.44,1753.26 R19.1@2533.82,1754.65
NetC27_1: C27.1 U8.9 | length 63.5
  Top Layer w10: C27.1@2323.11,1980.05 2323.96,1980.05 2353.27,1950.74 2353.27,1929.88 U8.9@2353.54,1929.61
NetC28_1: C28.1 R17.1 U8.16 | length 170.8
  Top Layer w10: C28.1@2221.56,1715.16 2221.56,1743.9 R17.1@2238.97,1761.31 ; R17.1@2238.97,1770.16 2321.94,1770.16 2333.86,1782.09 U8.16@2333.86,1799.69
NetC30_1: C30.1 R16.2 R18.1 U8.18 | length 315.1
  Top Layer w10: C30.1@2303.25,1721.65 2303.31,1721.59 2369.64,1721.59 R18.1@2369.7,1721.53 ; U8.18@2373.23,1799.69 2372.95,1799.41 2372.95,1724.79 R18.1@2369.7,1721.53 ; R16.2@2496.42,1649.65 2420.35,1649.65 2404.86,1665.14 2404.86,1686.37 2377.94,1713.29 2377.94,1713.38 2369.78,1721.53 R18.1@2369.7,1721.53
NetC32_2: C32.2 U10.39 U10.43 | length 244.5
  Top Layer w10: C32.2@4842.94,2146.49 4842.94,2116.81 4848.45,2111.3 U10.43@4848.45,2065.21 4849.95,2063.71 4849.95,2035.84 4857.33,2028.46 4939.57,2028.46 4946.95,2035.84 U10.39@4946.95,2063.71
NetC40_1: C40.1 U10.24 | length 117.6
  Top Layer w10: U10.24@5323.45,2065.21 5324.95,2066.71 5324.95,2095.48 5334.47,2105 5396.47,2105 5403.01,2098.46 C40.1@5404.98,2098.46
NetC40_2: C40.2 U10.23 | length 57.4
  Top Layer w10: U10.23@5348.45,2065.21 5348.45,2065.47 5349.95,2066.97 C40.2@5404.98,2066.97
NetC41_1: C41.1 U10.22 | length 57.1
  Top Layer w10: U10.22@5348.45,1765.71 5349.76,1764.4 C41.1@5404.98,1764.4
NetC42_1: C42.1 R26.1 SW1.3 SW1.4 U11.2 | length 646.5
  Top Layer w10: U11.2@5197.65,2821.8 5198.65,2820.8 5198.65,2796.07 5209.51,2785.21 5243.45,2785.21 5325,2866.76 5325,3039.13 5349.53,3063.66 5349.53,3071.38 5355.53,3077.38 SW1.4@5363.24,3077.38 SW1.3@5363.24,3220.98 ; C42.1@5276.41,3226.61 C42.1@5277.25,3225.77 ; C42.1@5282.25,3225.77 R26.1@5321.32,3225.77 ; R26.1@5321.32,3223.54 5321.57,3223.29 5358.86,3223.29 SW1.3@5361.17,3220.98
NetC43_1: C43.1 R24.2 Y1.1 | length 83.7
  Top Layer w10: C43.1@5086.92,2973.67 R24.2@5118.45,2973.67 5118.45,3019.15 Y1.1@5123.18,3023.87
NetC44_1: C44.1 U11.5 Y1.3 | length 304.4
  Top Layer w10: U11.5@5138.6,2821.8 5138.6,2926.42 C44.1@5168.45,2956.27 ; C44.1@5168.45,2960.21 5168.45,3059.3 Y1.3@5209.79,3100.64
NetC54_1: C54.1 D4.2 J1.4 SW2.3 SW2.4 U11.7 | length 2168.1
  Top Layer w10: C54.1@5070.31,2898.82 5070.31,2897.67 5073.18,2894.79 5085.21,2894.79 5098.23,2881.77 5098.23,2822.8 U11.7@5099.23,2821.8 5099.23,2784.44 ; v1(5255,2495) 5100.58,2649.42 5099.23,2649.42 5099.23,2784.44 ; v1(5340,2480) 5480,2340 5480,2033.66 5504.33,2009.33 5672.33,2009.33 J1.4@5678.45,2003.21 5740,1941.66 5740,1743.66 5786.25,1697.41 D4.2@5845.54,1697.41 ; SW2.3@5362.29,2979.65 SW2.4@5362.29,2833.98 ; SW2.4@5366.55,2829.72 SW2.4@5362.29,2833.98 ; 5099.23,2784.44 5133.45,2750.21 5238.45,2750.21 5319.43,2831.19 5359.5,2831.19 SW2.4@5362.29,2833.98
  Bottom Layer w10: v1(5255,2495) 5322.91,2495 5337.91,2480 v1(5340,2480)
NetCR2_2: CR2.2 U2.2 | length 169.3
  Top Layer w30: U2.2@1325.1,1379.02 1328.6,1379.02 1347.1,1397.52 1347.1,1401.02 1384.98,1438.9 1384.98,1481.33 1409.42,1505.77 CR2.2@1415,1505.77
NetD1_2: D1.2 L1.2 Q2.5 Q2.6 Q2.7 Q2.8
  other v1: 3508.57,2462.5 3540.71,2462.5 3572.86,2462.5 3605,2462.5 3639.56,2463.02 3672.42,2463.02 3704.56,2463.02 3735.99,2463.02 3508.57,2495 3540.71,2495 3572.86,2495 3605,2495 3640,2495 3672.86,2495 3705,2495 3736.43,2495
  other v2: 3490,2515 3590,2515 3990,2515 3940,2615 4040,2615 4140,2615 3790,2715 3890,2715 3990,2715 4090,2715
NetD2_1: D2.1 J3.12 U9.7 | length 2785.9
  Top Layer w10: D2.1@5606.26,1142.4 5368.31,1142.4 J3.12@5292.8,1066.89 5359.68,1000 5765,1000 6022.07,1257.07 6022.07,2647.93 5969.43,2700.57 U9.7@5857.04,2700.57
NetD2_2: D2.2 J3.14 U9.6 | length 2138.5
  Top Layer w10: J3.14@5430.59,1066.89 5563.66,1066.89 ; 5567.95,1066.89 5563.66,1066.89 ; U9.6@5857.04,2674.98 5939.37,2674.98 5990,2624.34 5990,1300 5756.89,1066.89 5563.66,1066.89
NetD3_1: D3.1 J3.10 R27.2 | length 2198.4
  Top Layer w10: J3.10@5155,1066.89 5278.11,1190 5700,1190 5835,1325 5835,1522.44 5838.86,1526.3 5933.07,1526.3 5970,1563.23 5970,2285 5884.69,2370.32 R27.2@5665,2370.32
NetD3_2: D3.2 J3.8 R42.2 U11.55 | length 2743
  Top Layer w10: J3.8@5017.2,1066.89 5170.31,1220 5675,1220 5795,1340 5795,1540 5806.89,1551.89 D3.2@5845.3,1551.89 5885.13,1551.89 5919.48,1586.24 ; U11.55@5296.08,2565.89 5504.11,2565.89 5620,2450 5620,2350 5655,2315 5860,2315 5919.48,2255.52 5919.48,1586.24 ; R42.2@5941.42,1600.94 5941.42,1599.96 5927.7,1586.24 5919.48,1586.24
NetD3_3: D3.3 J3.6 U11.4 | length 5890.4
  Top Layer w10: U11.4@5158.37,2821.71 U11.4@5158.28,2821.8 5158.28,2853.28 5174.38,2869.38 5265,2869.38 5288.29,2892.67 5288.29,3101.71 5235,3155 5235,3256.42 5263.58,3285 5646.22,3285 5675,3256.22 5675,2860 5710,2825 5905,2825 6040,2690 6040,1245 5775,980 4966.3,980 J3.6@4879.41,1066.89 5062.52,1250 5650,1250 5770,1370 5770,1545 5802.48,1577.48 D3.3@5845.3,1577.48
NetD3_4: D3.4 J3.13 R20.2 R43.1 | length 1584
  Top Layer w10: J3.13@5430.59,1435 5555,1559.41 5555,1585 5600,1630 5800,1630 5822.25,1607.75 5822.25,1606.93 5826.1,1603.07 5864.49,1603.07 5888.45,1627.03 5888.45,2216.55 5837.5,2267.5 5632.5,2267.5 5586.94,2313.06 5567.4,2313.06 5565,2315.46 R43.1@5565,2370.32
NetD3_5: D3.5 J3.4 U11.21 | length 6564.4
  Top Layer w10: U11.21@4841.42,2664.32 4884.32,2664.32 4910,2690 4910,2755 4855,2810 4855,2960 5215,3320 5680,3320 5712.5,3287.5 5712.5,2897.5 5755,2855 5920,2855 6060,2715 6060,1235 5785,960 4848.5,960 J3.4@4741.61,1066.89 4959.72,1285 5635,1285 5740,1390 5740,1583.43 5720.37,1603.07 D3.5@5671.12,1603.07
NetD3_6: D3.6 J3.2 U11.17 | length 6782.2
  Top Layer w10: U11.17@4843.32,2743.06 4811.94,2743.06 4795,2760 4795,2950 5200,3355 5695,3355 5750,3300 5750,2950 5815,2885 5942.23,2885 6080,2747.23 6080,1225 5795,940 4730.71,940 J3.2@4603.82,1066.89 4856.93,1320 5620,1320 5715,1415 5715,1571.62 5709.14,1577.48 D3.6@5671.12,1577.48
NetD4_1: D4.1 J1.3 R36.1 | length 475.6
  Top Layer w10: R36.1@5592.82,1965.21 5657.79,1965.21 5669.79,1953.21 J1.3@5678.45,1953.21 5720,1911.66 5720,1738.66 5786.84,1671.82 D4.1@5845.54,1671.82
NetD4_3: D4.3 J1.5 R40.1 | length 525.1
  Top Layer w10: R40.1@5592.82,2037.78 5594.79,2039.75 5657.34,2039.75 5669.79,2052.21 J1.5@5678.45,2052.21 5760,1970.66 5760,1748.66 5785.66,1723.01 D4.3@5845.54,1723.01